# Altium PCB transceiver_board_V1.PcbDoc (part 1 of 3)
Units mm, origin at the board's own origin, x right, y up, seen from the top; angles counter-clockwise.
Board outline 93.88 x 97.28 mm, 4 copper layers (L1-CU, L2-CU, L3-CU, L4-CU), stack 1.602 mm thick; 102 components, 133 nets, 517 pads, 379 vias.
Unrouted connection lines stored in the file: 680.
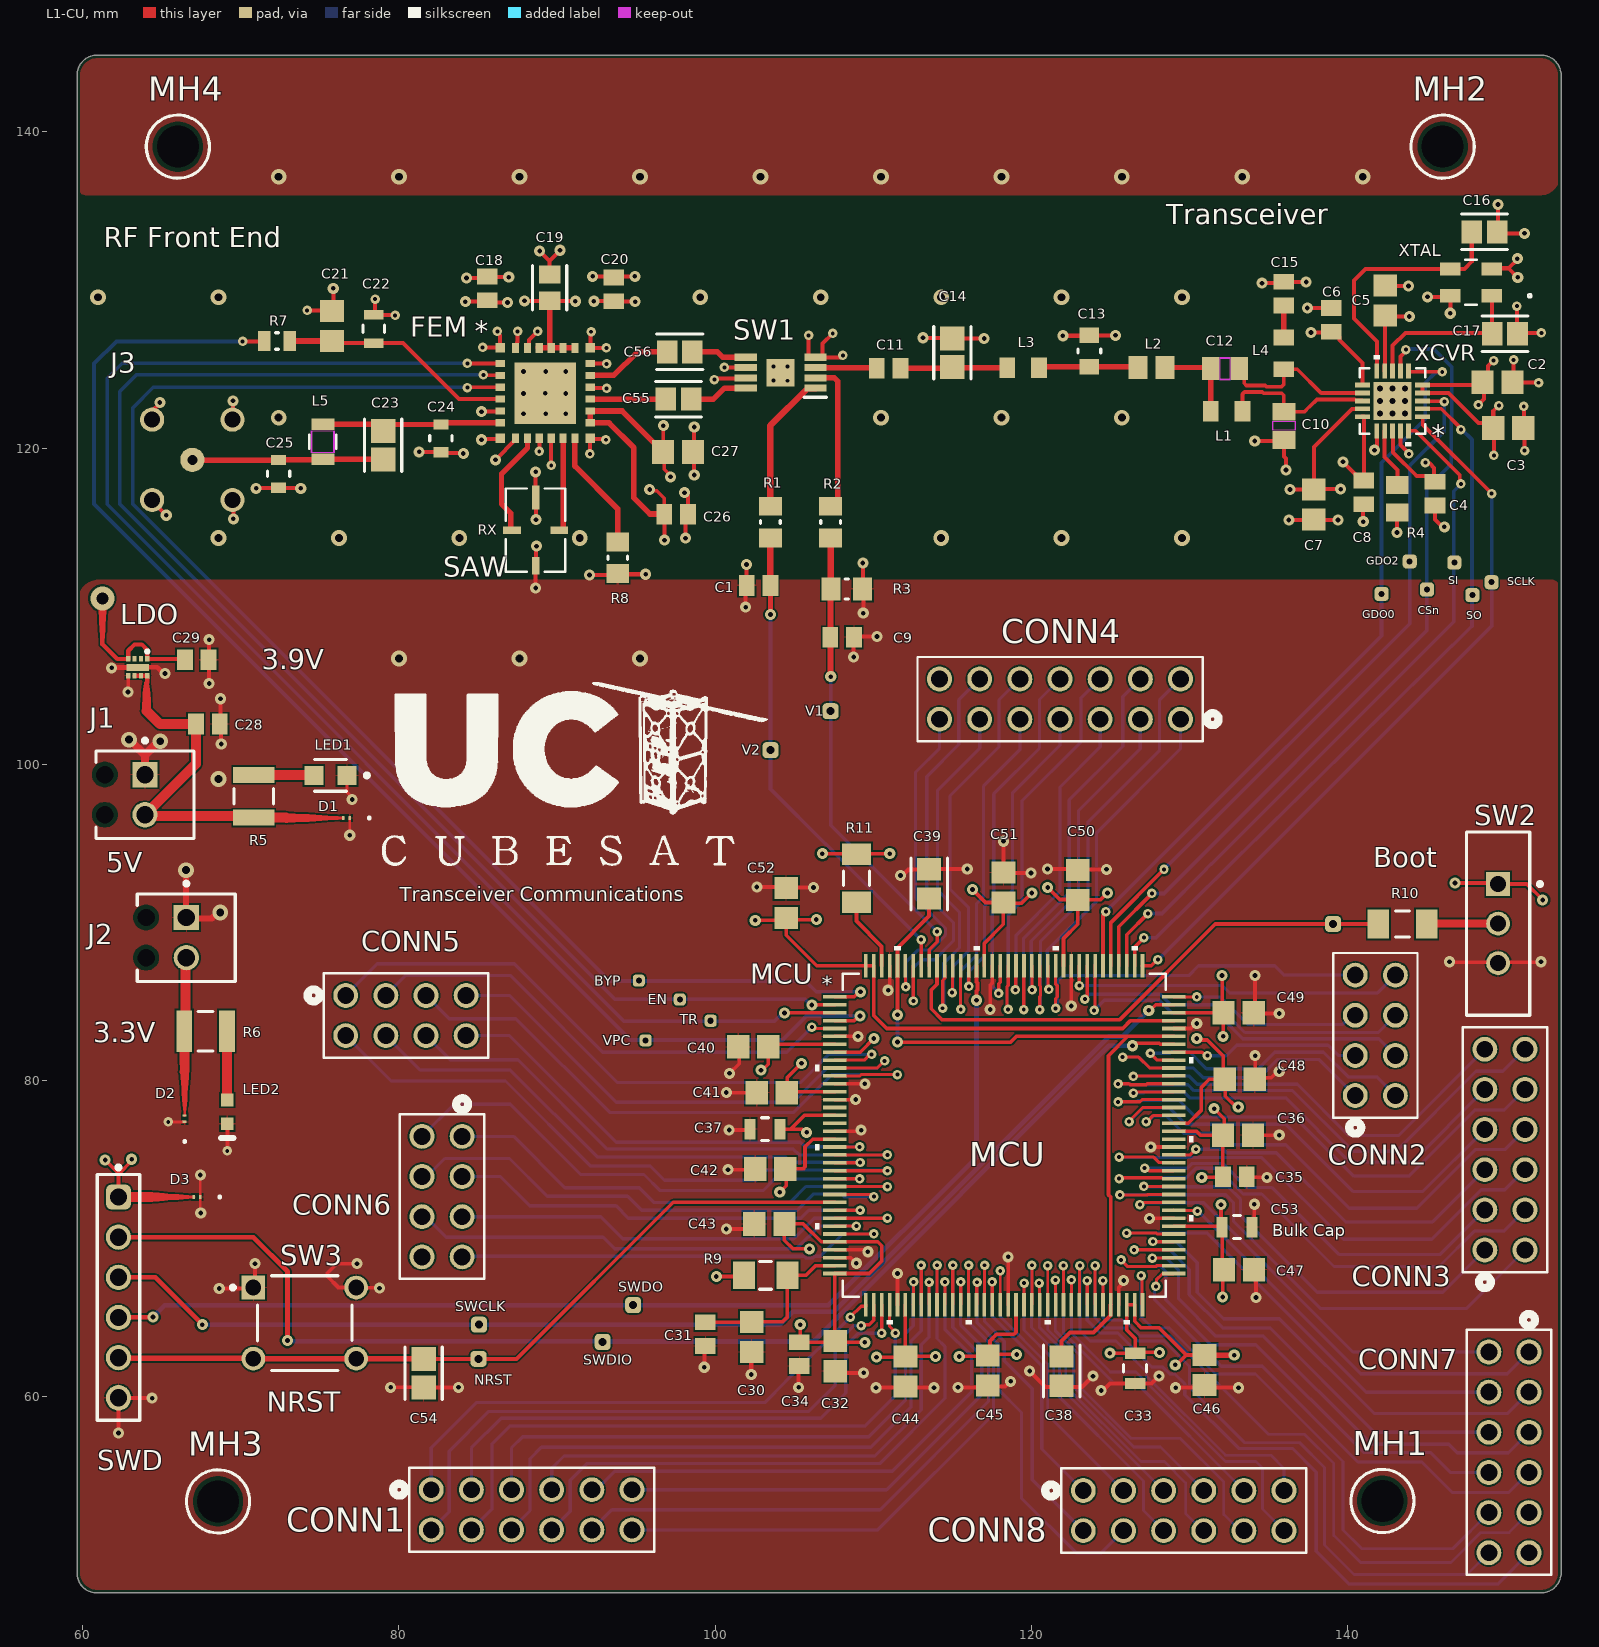
[diagram p0: L1-CU view]
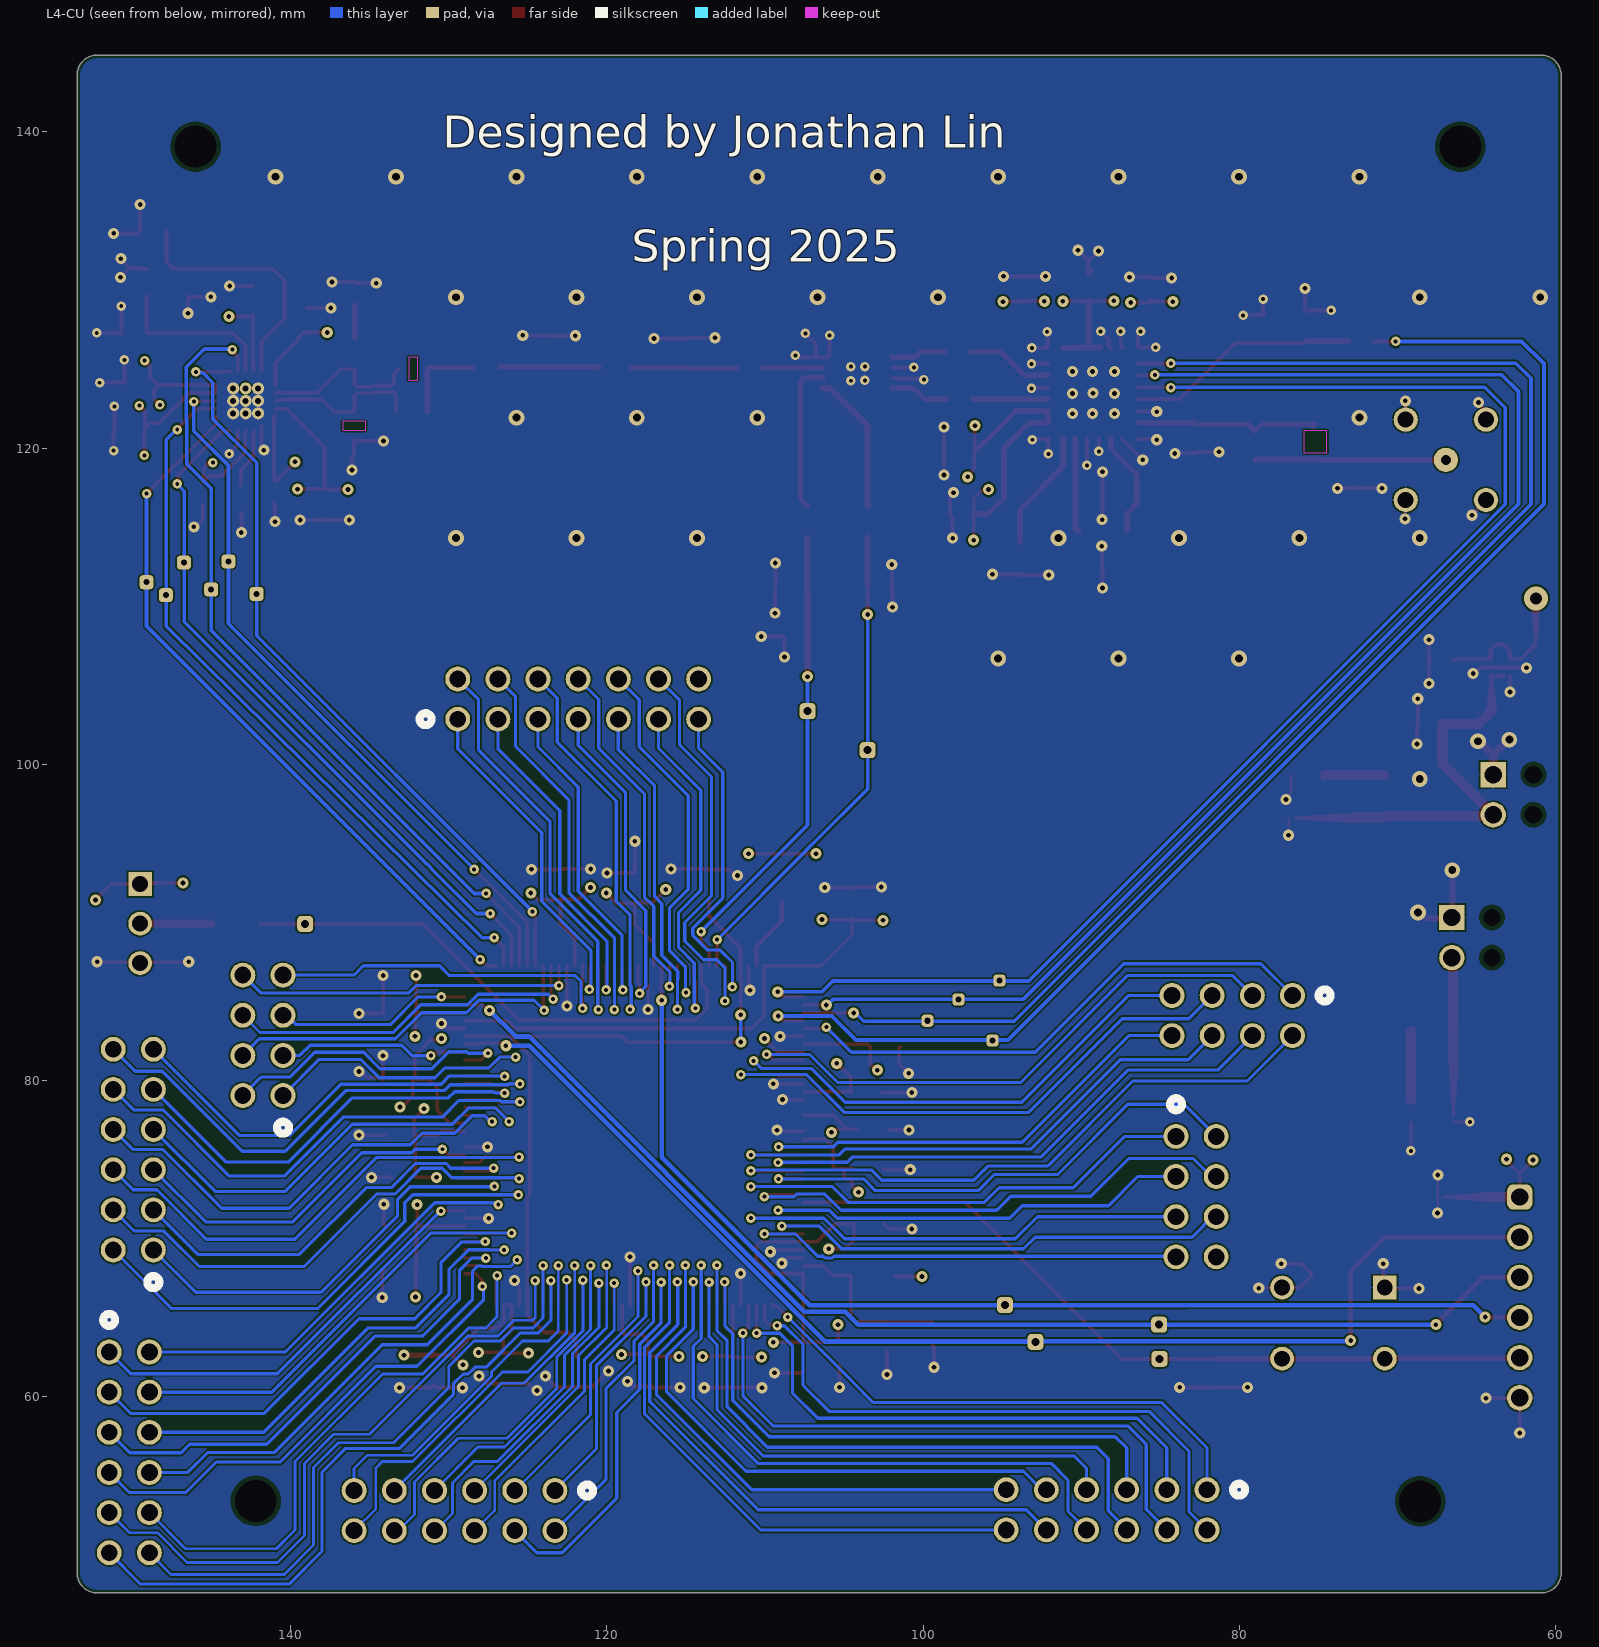
[diagram p1: L4-CU view, seen from below]
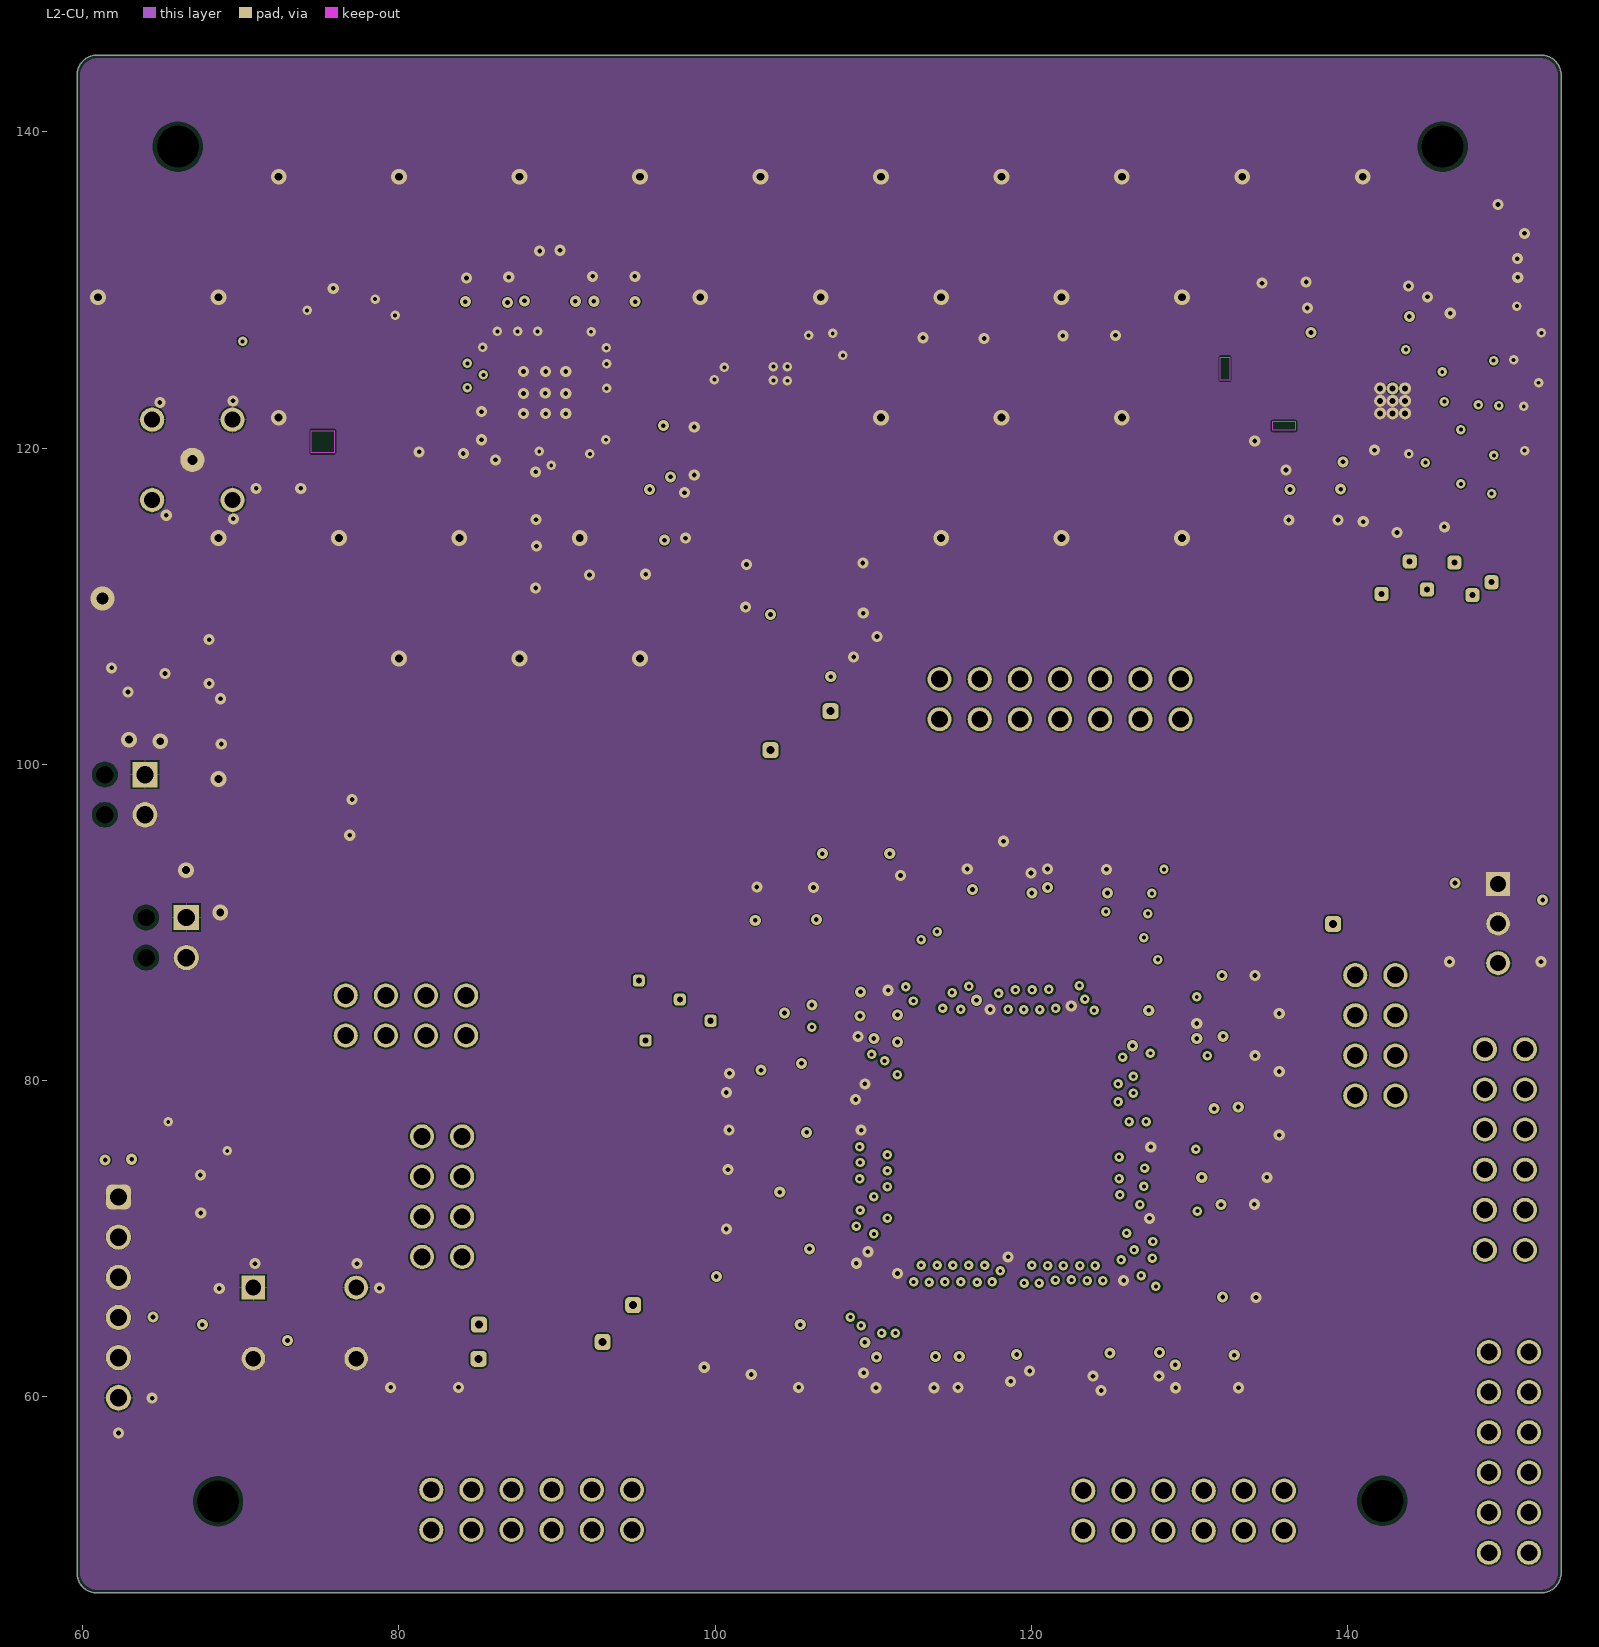
[diagram p2: L2-CU]
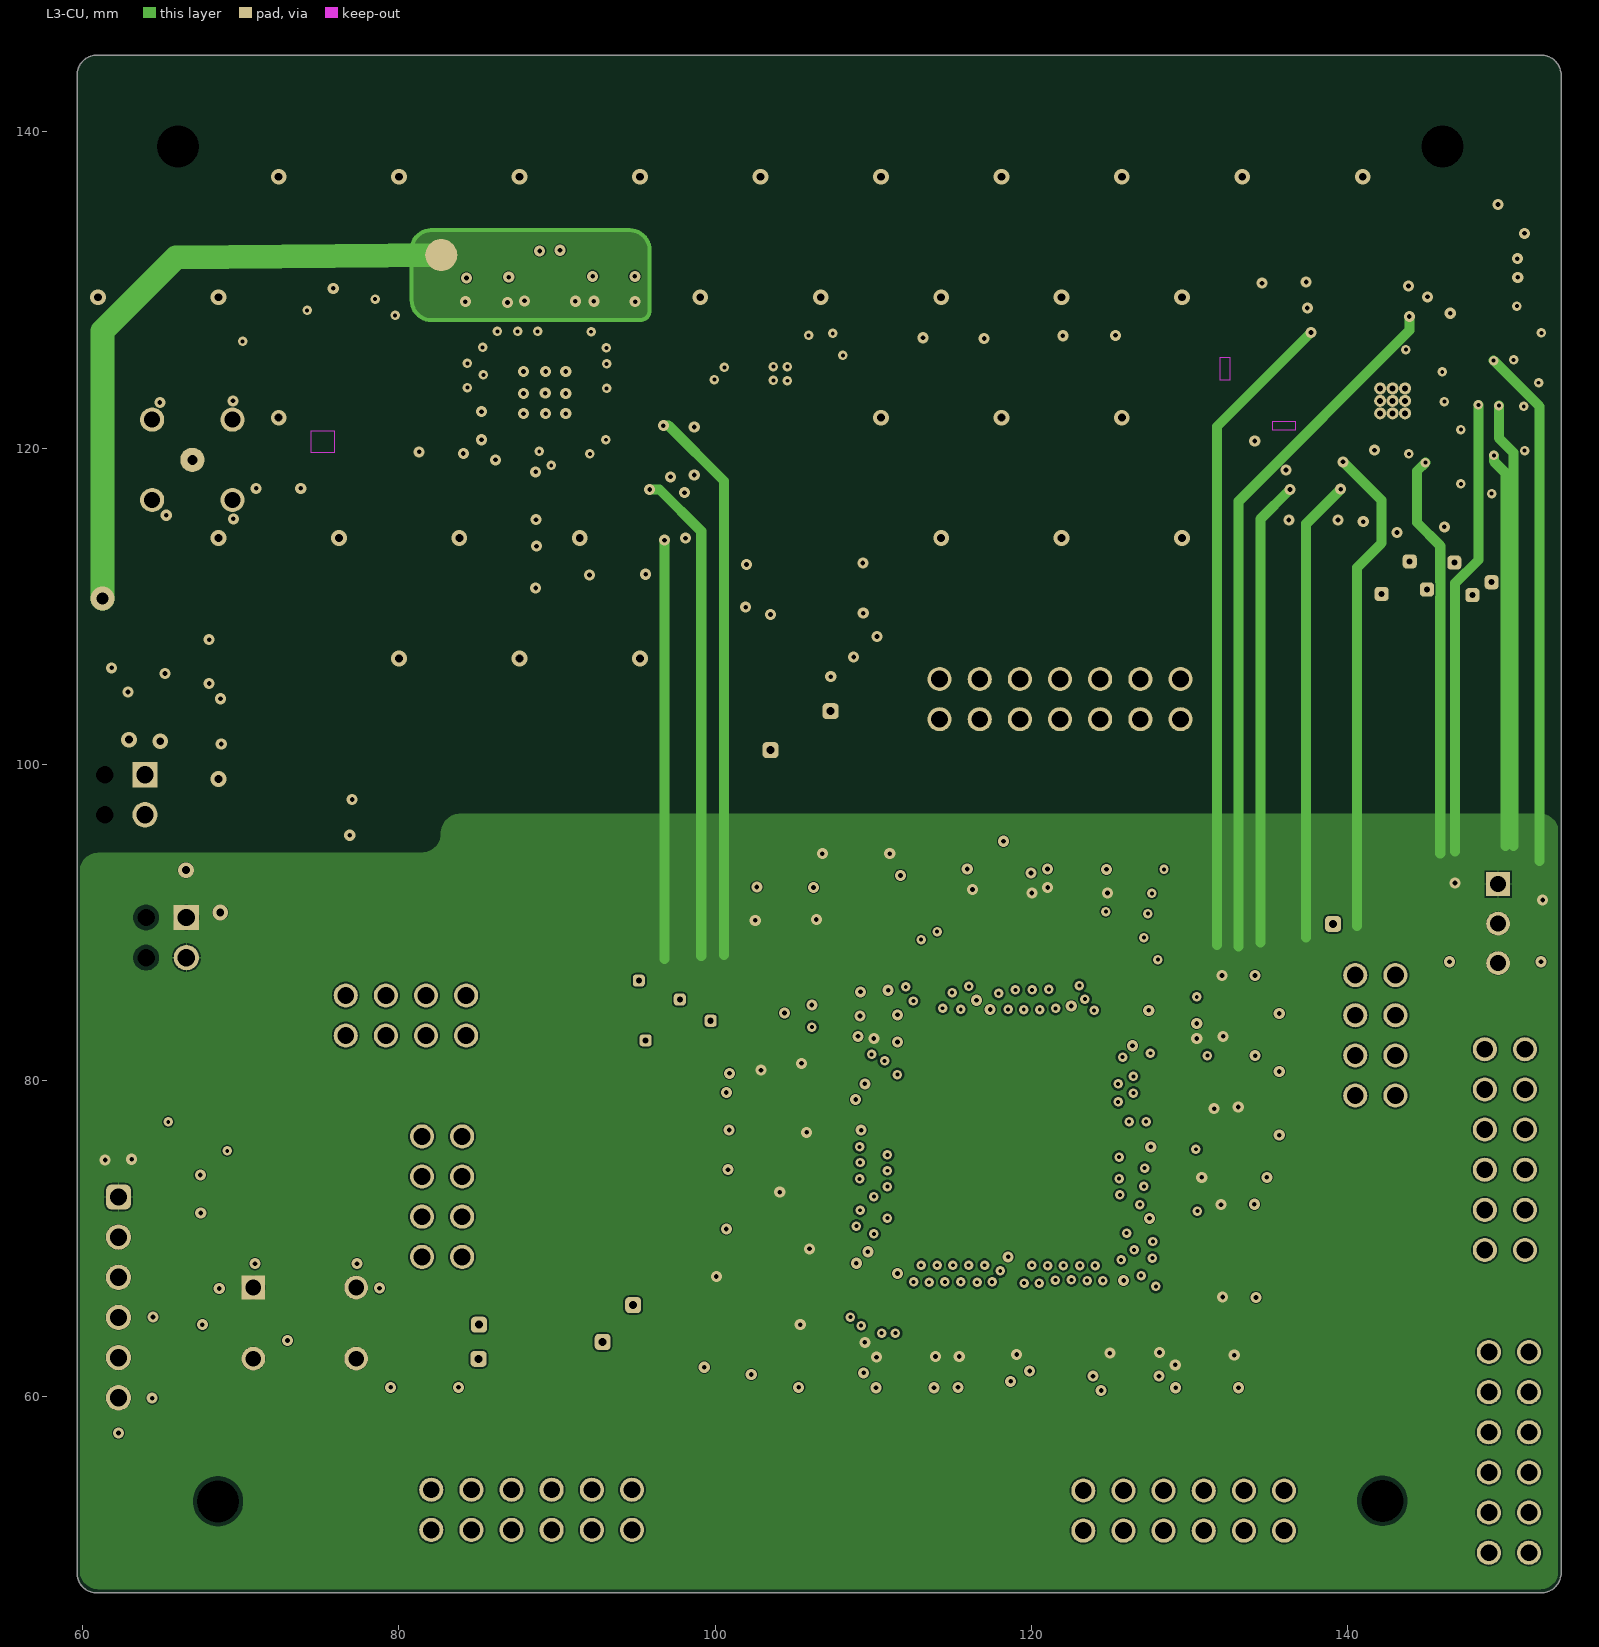
[diagram p3: L3-CU]
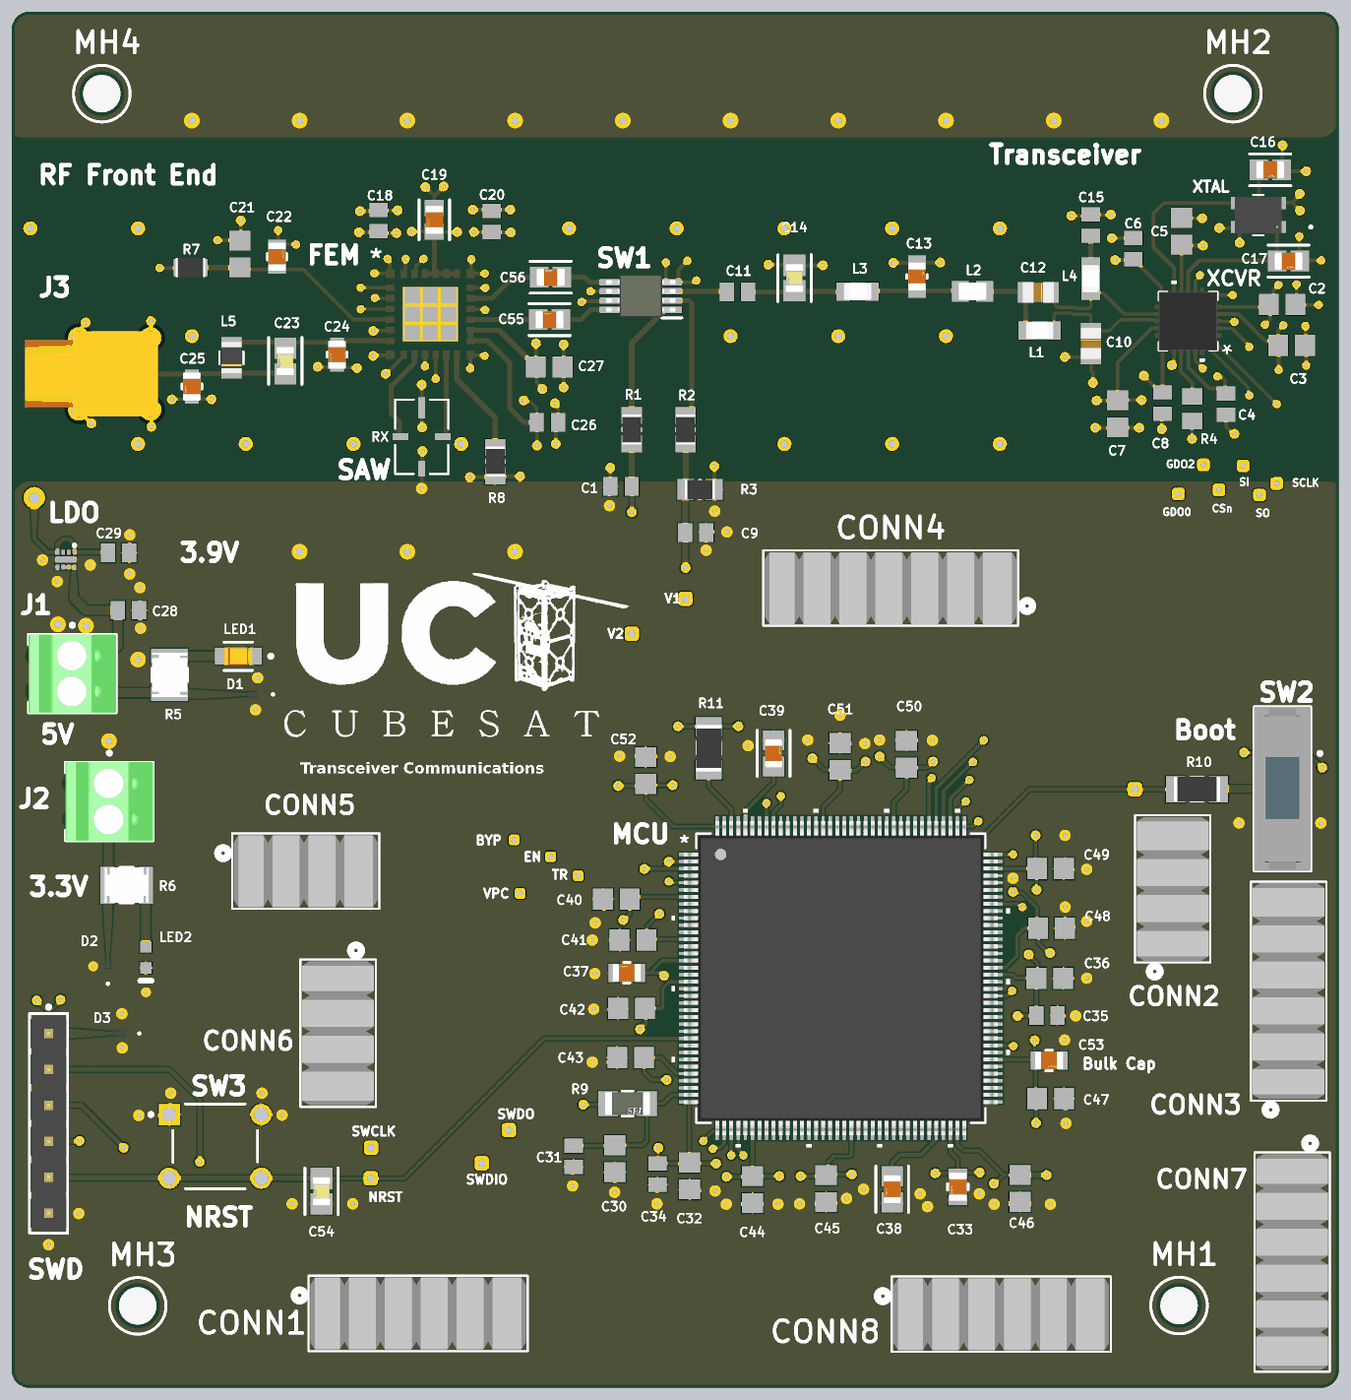
[diagram p6: 3D render of the assembled board from above, using the file's embedded part models]

## Layer stack, top to bottom
Top Solder: solder mask 0.01, Solder Resist, Dk 3.3
L1-CU: signal copper 0.0351
Dielectric 1: prepreg 0.2184, PP-023, Dk 4.5
L2-CU: signal copper 0.0152
Core: core 1.065, FR4, Dk 4.6
L3-CU: signal copper 0.0152
Dielectric 3: prepreg 0.2184, PP-023, Dk 4.5
L4-CU: signal copper 0.0351
Board Layer Stack Bottom Solder: solder mask 0.01, Solder Resist, Dk 3.3

## Board outline
59.639,48.827 59.639,53.368 59.639,53.162 59.639,143.586 cw(c60.909,143.586) 60.909,144.856 152.248,144.856 cw(c152.248,143.586) 153.518,143.586 153.518,75.133 153.518,48.844 cw(c152.248,48.844) 152.248,47.574 60.892,47.574 cw(c60.892,48.827)

## Design rules (kind name [scope] priority, off if disabled: settings)
BoardOutlineClearance [All] p1: gap=0.2 ignorepadtopadclearanceinfootprint=FALSE
Clearance [All] p1: gap=0.102 ignorepadtopadclearanceinfootprint=TRUE except(0.127: Arc-Via Track-Via SMDPad-Via THPad-Via Via-Via Via-Fill Via-Poly Via-Region Via-Text; 0.254: Arc-Hole Track-Hole SMDPad-Hole THPad-Hole Via-Hole Fill-Hole Poly-Hole Region-Hole Text-Hole)
ComponentClearance [All] p1: gap=0.102 collisioncheckmode=3 verticalgap=0.102 showdistances=TRUE
DiffPairsRouting [InDifferentialPairClass('All Differential Pairs')] p1: maxlimit=0.178 minlimit=0.178 mostfreqgap=0.178 toplayer_minwidth=0.231 toplayer_maxwidth=0.231 toplayer_prefwidth=0.231 midlayer1_minwidth=0.145 midlayer1_maxwidth=0.145 midlayer1_prefwidth=0.145 midlayer2_minwidth=0.145 midlayer2_maxwidth=0.145 midlayer2_prefwidth=0.145 bottomlayer_minwidth=0.231 bottomlayer_maxwidth=0.231 bottomlayer_prefwidth=0.231 impedanceprofiledriven=TRUE impedanceprofileid={1A19D718-767F-4CA3-BE74-93DCD26AF27F} impedanceprofilevalue=100.000000 maxuncoupledlength=12.7
Height [All] p1: minheight=0 maxheight=1816.048 prefheight=12.7
HoleSize [All] p1: absolutevalues=TRUE maxlimit=6.3 minlimit=0.2 maxpercent=80.000 minpercent=20.000
HoleToHoleClearance [All] p1: gap=0.254 allowstackedmicrovias=FALSE
MatchedLengths [InDifferentialPair('RF')] p1: tolerance=2.54 checknetsindiffpair=TRUE checkdiffpairvsdiffpair=FALSE checkxsignals=FALSE checkothers=FALSE
MinimumAnnularRing [All] p1: minimumring=0.152
MinimumSolderMaskSliver XCVR-MinimumSolderMaskSliver [HasFootprint('CC1101RGP-Footprint-1') vs HasFootprint('CC1101RGP-Footprint-1')] p1: minsoldermaskwidth=0.051
MinimumSolderMaskSliver "RF Switch" [HasFootprint('SOP65P490X106-9N') vs HasFootprint('SOP65P490X106-9N')] p2: minsoldermaskwidth=0.051
MinimumSolderMaskSliver LDO [HasFootprint('NCP186AMX330TAG') vs HasFootprint('NCP186AMX330TAG')] p3: minsoldermaskwidth=0.025
MinimumSolderMaskSliver MinimumSolderMaskSliver_2 [All] p4: minsoldermaskwidth=0.152
PlaneClearance [All] p1: clearance=0.102
PlaneConnect PlaneConnectPowerPads [InPadClass('PowerPads')] p1: planeconnectstyle=Relief reliefexpansion=0.508 reliefentries=4 reliefconductorwidth=0.254 reliefairgap=0.254
PlaneConnect [All] p2: pad.planeconnectstyle=Relief pad.reliefexpansion=0.3 pad.reliefentries=4 pad.reliefconductorwidth=0.102 pad.reliefairgap=0.102 via.planeconnectstyle=Direct via.reliefexpansion=0.3 via.reliefentries=4 via.reliefconductorwidth=0.127 via.reliefairgap=0.127
PolygonConnect PolygonConnectPowerPads [All vs (InPadClass('PowerPads'))] p1: connectstyle=Direct reliefconductorwidth=0.254 reliefentries=4 polygonreliefangle="90 Angle" airgapwidth=0.254
PolygonConnect [All] p2: thpad.connectstyle=Relief thpad.reliefconductorwidth=0.102 thpad.reliefentries=4 thpad.polygonreliefangle="90 Angle" thpad.airgapwidth=0.102 smdpad.connectstyle=Relief smdpad.reliefconductorwidth=0.102 smdpad.reliefentries=4 smdpad.polygonreliefangle="90 Angle" smdpad.airgapwidth=0.102 via.connectstyle=Direct via.reliefconductorwidth=0.127 via.reliefentries=4 via.polygonreliefangle="90 Angle" via.airgapwidth=0.127
RoutingVias [All] p1: holewidth=0.2 width=0.45 viastyle="Through Hole" minholewidth=0.2 minwidth=0.45 maxholewidth=6.3 maxwidth=6.55